# Allegro board 8880F5-0824_updates.brd (continued)
## Routing (per net, layer and track width the routed paths; a pad name or vN(x,y) marks a point on that pad's centre or on a via; arc(x,y) is an arc through that point) (continued)
D30116: length 192.4
  TOP w0.147: SITE4.36 336.23,171.33 336.23,171.32 336.23,171.12 340.99,166.36 arc(341.15,166.12) 341.2,165.84 341.2,163.51 arc(341.23,163.38) 341.3,163.27 346.25,158.33 arc(346.36,158.25) 346.49,158.23 360.65,158.23 arc(360.93,158.17) 361.17,158.01 361.94,157.24 arc(362.1,157) 362.15,156.72 362.15,153.4 arc(362.1,153.11) 361.94,152.87 361.43,152.36 arc(361.19,152.2) 360.91,152.15 357.95,152.15 arc(357.82,152.12) 357.71,152.05 349.01,143.34 arc(348.77,143.18) 348.48,143.12 342.4,143.12 arc(342.27,143.1) 342.16,143.02 341.3,142.16 arc(341.23,142.05) 341.2,141.92 341.2,128.25 arc(341.27,127.89) 341.47,127.59 341.47,127.59 arc(341.77,127.39) 342.13,127.32 348.02,127.32 arc(348.49,127.23) 348.89,126.96 arc(349.15,126.56) 349.25,126.09 349.25,94.24 arc(349.19,93.95) 349.03,93.71 348.74,93.43 arc(348.17,93.05) 347.5,92.91 arc(346.83,93.05) 346.27,93.43 345.92,93.77 arc(345.76,94.01) 345.71,94.29 345.71,123.35 arc(345.65,123.63) 345.49,123.87 345.49,123.87 arc(345.03,124.18) 344.49,124.29 344.32,124.29 arc(343.77,124.18) 343.31,123.87 343.31,123.87 arc(343.14,123.62) 343.08,123.33 343.08,91.56 arc(343.14,91.28) 343.3,91.04 D301.16
D30502: length 192.4
  TOP w0.147: D305.02 385.64,91 arc(385.8,91.24) 385.85,91.52 385.85,93.61 arc(385.91,93.89) 386.07,94.13 387.38,95.44 arc(387.62,95.6) 387.9,95.66 394.19,95.66 arc(394.41,95.7) 394.59,95.82 395.29,96.52 arc(395.79,97.27) 395.96,98.15 395.96,98.15 arc(395.74,99.27) 395.1,100.22 394.75,100.58 arc(394.36,100.84) 393.91,100.93 387.5,100.93 arc(387.22,100.98) 386.98,101.14 386.16,101.96 arc(386,102.2) 385.95,102.48 385.95,118.01 arc(385.92,118.14) 385.85,118.25 370.44,133.66 arc(370.28,133.9) 370.22,134.19 370.22,149.87 arc(370.2,150) 370.12,150.11 363.58,156.66 arc(363.42,156.9) 363.36,157.18 363.36,203.61 arc(363.34,203.74) 363.26,203.86 355.51,211.61 arc(355.46,211.64) 355.4,211.66 340.76,211.66 arc(340.09,211.79) 339.52,212.17 332.45,219.24 arc(332.29,219.48) 332.23,219.76 332.23,231.32 332.23,231.33 SITE2.26
D30504: length 192.4
  TOP w0.147: D305.04 386.47,91.05 arc(386.31,91.29) 386.25,91.57 386.25,93.61 arc(386.28,93.74) 386.35,93.85 387.66,95.16 arc(387.77,95.24) 387.9,95.26 394.19,95.26 arc(394.56,95.34) 394.87,95.54 395.57,96.24 arc(396.15,97.12) 396.36,98.15 396.36,98.15 arc(396.11,99.43) 395.38,100.51 395.03,100.86 arc(394.52,101.2) 393.91,101.32 387.5,101.32 arc(387.37,101.35) 387.26,101.42 386.44,102.24 arc(386.37,102.35) 386.34,102.48 386.34,118.01 arc(386.29,118.29) 386.13,118.53 370.72,133.94 arc(370.64,134.05) 370.62,134.19 370.62,149.87 arc(370.56,150.16) 370.4,150.39 363.86,156.94 arc(363.78,157.05) 363.76,157.18 363.76,203.61 arc(363.7,203.9) 363.54,204.14 355.79,211.89 arc(355.61,212.01) 355.4,212.05 340.76,212.05 arc(340.24,212.16) 339.8,212.45 332.73,219.52 arc(332.65,219.63) 332.63,219.76 332.63,231.32 332.63,231.33 SITE2.27
D30506: length 192.4
  TOP w0.147: SITE2.29 333.43,231.33 333.43,231.32 333.43,221.42 arc(333.49,221.14) 333.65,220.9 340.55,213.99 arc(340.79,213.83) 341.07,213.78 355.94,213.78 arc(356.07,213.75) 356.18,213.68 365.46,204.4 arc(365.54,204.29) 365.56,204.16 365.56,158.21 arc(365.62,157.93) 365.78,157.69 372.97,150.5 arc(373.04,150.39) 373.07,150.26 373.07,134.17 arc(373.12,133.89) 373.28,133.65 395.84,111.09 arc(395.92,110.98) 395.94,110.85 395.94,103.3 arc(396,103.02) 396.16,102.78 398.21,100.73 arc(398.45,100.57) 398.73,100.52 402.65,100.52 arc(403.24,100.4) 403.74,100.07 arc(404.31,99.21) 404.51,98.2 404.51,97.73 arc(404.38,97.08) 404.01,96.52 403.43,95.95 arc(403.23,95.81) 403,95.77 398.42,95.77 arc(398.14,95.71) 397.9,95.55 396.23,93.88 arc(396.07,93.64) 396.01,93.35 396.01,91.52 arc(395.96,91.24) 395.8,91 D305.06
D30508: length 192.4
  TOP w0.147: D305.08 396.63,91.05 arc(396.47,91.29) 396.41,91.58 396.41,93.35 arc(396.44,93.48) 396.51,93.6 398.18,95.27 arc(398.29,95.34) 398.42,95.37 403,95.37 arc(403.39,95.45) 403.71,95.67 404.29,96.24 arc(404.75,96.93) 404.91,97.73 404.91,98.2 arc(404.68,99.36) 404.02,100.35 404.02,100.35 arc(403.39,100.76) 402.65,100.91 398.73,100.91 arc(398.6,100.94) 398.49,101.01 396.44,103.06 arc(396.37,103.17) 396.34,103.3 396.34,110.85 arc(396.28,111.13) 396.12,111.37 373.56,133.93 arc(373.49,134.04) 373.46,134.17 373.46,150.26 arc(373.41,150.54) 373.25,150.78 366.06,157.97 arc(365.98,158.08) 365.96,158.21 365.96,204.16 arc(365.9,204.44) 365.74,204.68 356.46,213.96 arc(356.22,214.12) 355.94,214.17 341.07,214.17 arc(340.94,214.2) 340.83,214.27 333.93,221.18 arc(333.85,221.29) 333.83,221.42 333.83,231.32 333.83,231.33 SITE2.30
D30510: length 192.4
  TOP w0.147: D305.10 405.97,91.01 arc(406.13,91.25) 406.19,91.53 406.19,94.3 arc(406.25,94.61) 406.42,94.87 407.29,95.74 arc(407.55,95.91) 407.86,95.97 410.79,95.97 arc(411.11,96.04) 411.38,96.22 arc(411.86,96.94) 412.03,97.79 412.03,97.79 arc(411.82,98.82) 411.24,99.69 arc(410.82,99.97) 410.32,100.07 407.7,100.07 arc(407.42,100.12) 407.18,100.28 406.33,101.13 arc(406.17,101.37) 406.12,101.65 406.12,103.38 arc(406.09,103.51) 406.02,103.62 376.2,133.44 arc(376.04,133.68) 375.98,133.97 375.98,151.27 arc(375.95,151.4) 375.88,151.51 368.14,159.26 arc(367.98,159.49) 367.92,159.78 367.92,205.65 arc(367.9,205.78) 367.82,205.89 358.11,215.6 arc(358,215.68) 357.87,215.7 342.53,215.7 arc(342.25,215.76) 342.01,215.92 338.61,219.32 arc(338.45,219.56) 338.4,219.84 338.4,225.54 arc(338.37,225.67) 338.3,225.79 334.85,229.24 arc(334.69,229.47) 334.63,229.76 334.63,231.32 334.63,231.33 SITE2.32
D30512: length 192.4
  TOP w0.147: SITE2.33 335.03,231.33 335.03,231.32 335.03,229.76 arc(335.05,229.63) 335.13,229.52 338.58,226.07 arc(338.74,225.83) 338.79,225.54 338.79,219.84 arc(338.82,219.71) 338.89,219.6 342.29,216.2 arc(342.4,216.12) 342.53,216.1 357.87,216.1 arc(358.15,216.04) 358.39,215.88 368.1,206.17 arc(368.26,205.93) 368.32,205.65 368.32,159.78 arc(368.35,159.65) 368.42,159.54 376.16,151.79 arc(376.32,151.56) 376.38,151.27 376.38,133.97 arc(376.4,133.84) 376.48,133.72 406.3,103.9 arc(406.46,103.67) 406.51,103.38 406.51,101.65 arc(406.54,101.52) 406.61,101.41 407.46,100.56 arc(407.57,100.49) 407.7,100.46 410.32,100.46 arc(410.97,100.34) 411.52,99.97 411.52,99.97 arc(412.19,98.97) 412.42,97.79 412.42,97.79 arc(412.22,96.79) 411.66,95.94 arc(411.26,95.67) 410.79,95.58 407.86,95.58 arc(407.7,95.55) 407.57,95.46 406.71,94.59 arc(406.61,94.46) 406.58,94.3 406.58,91.56 arc(406.64,91.28) 406.8,91.04 D305.12
D30514: length 192.4
  TOP w0.147: SITE2.35 335.83,231.33 335.83,231.32 335.83,230.95 340.67,226.11 arc(340.75,226) 340.77,225.87 340.77,220.87 arc(340.83,220.59) 340.99,220.35 343.49,217.85 arc(343.73,217.69) 344.01,217.63 359.3,217.63 arc(359.44,217.61) 359.55,217.53 370.26,206.82 arc(370.33,206.71) 370.36,206.58 370.36,161.11 arc(370.41,160.82) 370.57,160.58 378.75,152.41 arc(378.82,152.3) 378.85,152.17 378.85,133.76 arc(378.9,133.48) 379.06,133.24 385.97,126.33 arc(386.21,126.17) 386.49,126.11 393.9,126.11 arc(394.7,125.95) 395.38,125.5 415.74,105.14 arc(416.2,104.46) 416.36,103.65 416.36,91.54 arc(416.3,91.26) 416.14,91.02 D305.14
D30516: length 192.4
  TOP w0.147: D305.16 416.97,91.03 arc(416.81,91.27) 416.76,91.55 416.76,103.65 arc(416.57,104.61) 416.03,105.42 395.66,125.78 arc(394.86,126.32) 393.9,126.51 386.49,126.51 arc(386.36,126.54) 386.25,126.61 379.34,133.52 arc(379.27,133.63) 379.24,133.76 379.24,152.17 arc(379.19,152.45) 379.03,152.69 370.85,160.86 arc(370.78,160.98) 370.75,161.11 370.75,206.58 arc(370.7,206.86) 370.54,207.1 359.83,217.81 arc(359.59,217.97) 359.3,218.03 344.01,218.03 arc(343.88,218.05) 343.77,218.13 341.27,220.63 arc(341.2,220.74) 341.17,220.87 341.17,225.87 arc(341.11,226.15) 340.95,226.39 336.23,231.12 336.23,231.32 336.23,231.33 SITE2.36
D31702: length 192.4
  TOP w0.147: SITE3.26 252.23,171.33 252.23,171.32 252.23,154.59 arc(252.21,154.46) 252.13,154.35 250.01,152.23 arc(249.88,152.14) 249.72,152.11 233.3,152.11 arc(233.05,152.06) 232.83,151.91 228.47,147.55 arc(228.31,147.31) 228.26,147.03 228.26,141.47 arc(228.23,141.34) 228.16,141.23 224.1,137.17 arc(223.99,137.1) 223.86,137.07 202.36,137.07 arc(202.08,137.01) 201.84,136.86 192.32,127.33 arc(192.21,127.26) 192.08,127.23 157.34,127.23 arc(157.06,127.18) 156.82,127.02 155.37,125.56 arc(155.21,125.32) 155.15,125.04 155.15,109.59 arc(155.21,109.31) 155.37,109.07 157.29,107.15 arc(157.52,107) 157.81,106.94 163.56,106.94 arc(163.69,106.91) 163.8,106.84 164.81,105.83 arc(164.89,105.72) 164.91,105.59 164.91,104.5 arc(164.89,104.37) 164.81,104.26 163.74,103.19 arc(163.63,103.11) 163.5,103.09 157.16,103.09 arc(156.58,102.97) 156.08,102.64 156.03,102.59 arc(155.13,101.25) 154.82,99.67 arc(155.07,98.39) 155.8,97.31 156.47,96.63 arc(156.71,96.47) 157,96.42 163.78,96.42 arc(163.91,96.39) 164.03,96.32 164.81,95.53 arc(164.89,95.42) 164.91,95.29 164.91,91.56 arc(164.86,91.27) 164.7,91.04 D317.02
D31704: length 192.4
  TOP w0.147: D317.04 165.52,91.02 arc(165.36,91.26) 165.31,91.54 165.31,95.29 arc(165.25,95.57) 165.09,95.81 164.31,96.6 arc(164.07,96.76) 163.78,96.81 157,96.81 arc(156.86,96.84) 156.75,96.91 156.08,97.59 arc(155.44,98.54) 155.22,99.67 arc(155.5,101.1) 156.31,102.31 156.36,102.36 arc(156.73,102.61) 157.16,102.69 163.5,102.69 arc(163.78,102.75) 164.02,102.91 165.09,103.98 arc(165.25,104.22) 165.31,104.5 165.31,105.59 arc(165.25,105.87) 165.09,106.11 164.08,107.12 arc(163.84,107.28) 163.56,107.34 157.81,107.34 arc(157.68,107.36) 157.57,107.44 155.65,109.35 arc(155.58,109.46) 155.55,109.59 155.55,125.04 arc(155.58,125.17) 155.65,125.28 157.1,126.73 arc(157.21,126.81) 157.34,126.83 192.08,126.83 arc(192.36,126.89) 192.6,127.05 202.12,136.58 arc(202.23,136.65) 202.36,136.67 223.86,136.67 arc(224.14,136.73) 224.38,136.89 228.44,140.95 arc(228.6,141.18) 228.65,141.47 228.65,147.03 arc(228.68,147.16) 228.75,147.27 233.11,151.63 arc(233.2,151.69) 233.3,151.71 249.72,151.71 arc(250.03,151.77) 250.29,151.95 252.41,154.07 arc(252.57,154.31) 252.63,154.59 252.63,171.32 252.63,171.33 SITE3.27
D31706: length 192.4
  TOP w0.147: D317.06 174.85,91.03 arc(175.01,91.27) 175.07,91.55 175.07,95.63 arc(175.04,95.76) 174.97,95.87 173.95,96.89 arc(173.83,96.97) 173.7,96.99 170.6,96.99 arc(170.32,97.05) 170.08,97.21 169.41,97.88 arc(168.5,100.07) 169.41,102.26 169.55,102.4 arc(170.14,102.8) 170.84,102.94 173.37,102.94 arc(173.5,102.96) 173.61,103.04 174.97,104.39 arc(175.04,104.5) 175.07,104.63 175.07,106.6 arc(175.04,106.73) 174.97,106.84 172.67,109.14 arc(172.56,109.22) 172.43,109.24 159.81,109.24 arc(159.52,109.3) 159.28,109.46 157.66,111.08 arc(157.5,111.32) 157.45,111.6 157.45,123.02 arc(157.5,123.3) 157.66,123.54 159.05,124.93 arc(159.29,125.08) 159.57,125.14 192.85,125.14 arc(192.98,125.17) 193.09,125.24 202.36,134.51 arc(202.6,134.67) 202.88,134.72 225.05,134.72 arc(225.18,134.75) 225.29,134.82 230.57,140.1 arc(230.64,140.21) 230.67,140.34 230.67,145.95 arc(230.72,146.23) 230.88,146.47 233.88,149.47 arc(234.12,149.63) 234.4,149.68 250.49,149.68 arc(250.62,149.71) 250.73,149.78 254.62,153.67 arc(254.69,153.78) 254.72,153.91 254.72,165.73 arc(254.69,165.86) 254.62,165.97 253.65,166.94 arc(253.49,167.18) 253.43,167.46 253.43,171.32 253.43,171.33 SITE3.29
D31708: length 192.4
  TOP w0.147: D317.08 175.68,91.02 arc(175.52,91.26) 175.46,91.54 175.46,95.63 arc(175.41,95.91) 175.25,96.15 174.23,97.17 arc(173.99,97.33) 173.7,97.39 170.6,97.39 arc(170.47,97.41) 170.36,97.49 169.69,98.16 arc(168.9,100.07) 169.69,101.98 169.83,102.12 arc(170.29,102.43) 170.84,102.54 173.37,102.54 arc(173.66,102.6) 173.89,102.76 175.25,104.11 arc(175.41,104.35) 175.46,104.63 175.46,106.6 arc(175.41,106.88) 175.25,107.12 172.95,109.42 arc(172.71,109.58) 172.43,109.64 159.81,109.64 arc(159.67,109.67) 159.56,109.74 157.94,111.36 arc(157.87,111.47) 157.84,111.6 157.84,123.02 arc(157.87,123.15) 157.94,123.26 159.33,124.64 arc(159.44,124.72) 159.57,124.74 192.85,124.74 arc(193.13,124.8) 193.37,124.96 202.64,134.23 arc(202.75,134.3) 202.88,134.33 225.05,134.33 arc(225.33,134.38) 225.57,134.54 230.85,139.82 arc(231.01,140.05) 231.06,140.34 231.06,145.95 arc(231.09,146.08) 231.16,146.19 234.16,149.19 arc(234.27,149.26) 234.4,149.29 250.49,149.29 arc(250.77,149.34) 251.01,149.5 254.9,153.39 arc(255.06,153.63) 255.11,153.91 255.11,165.73 arc(255.06,166.01) 254.9,166.25 253.93,167.22 arc(253.85,167.33) 253.83,167.46 253.83,171.32 253.83,171.33 SITE3.30
D31710: length 192.4
  TOP w0.147: D317.10 184.98,91 arc(185.14,91.24) 185.2,91.52 185.2,106.54 arc(185.17,106.67) 185.1,106.78 180.38,111.49 arc(180.27,111.57) 180.14,111.59 161,111.59 arc(160.71,111.65) 160.47,111.81 159.94,112.35 arc(159.78,112.59) 159.72,112.87 159.72,121.35 arc(159.78,121.63) 159.94,121.87 160.53,122.46 arc(160.77,122.62) 161.05,122.68 193.81,122.68 arc(193.94,122.71) 194.05,122.78 203.26,131.99 arc(203.5,132.15) 203.78,132.21 226.63,132.21 arc(227.74,132.43) 228.68,133.05 232.15,136.52 arc(232.78,137.46) 233,138.57 233,138.57 233,144.66 arc(233.06,144.94) 233.21,145.18 235.06,147.02 arc(235.3,147.18) 235.58,147.24 251.91,147.24 arc(252.04,147.26) 252.15,147.34 258.03,153.22 arc(258.11,153.33) 258.13,153.46 258.13,166.26 arc(258.11,166.39) 258.03,166.5 254.85,169.69 arc(254.69,169.93) 254.63,170.21 254.63,171.32 254.63,171.33 SITE3.32
D31712: length 192.4
  TOP w0.147: SITE3.33 255.03,171.33 255.03,171.32 255.03,170.21 arc(255.05,170.08) 255.13,169.97 258.31,166.79 arc(258.47,166.55) 258.53,166.26 258.53,153.46 arc(258.47,153.18) 258.31,152.94 252.43,147.06 arc(252.19,146.9) 251.91,146.84 235.58,146.84 arc(235.45,146.82) 235.34,146.74 233.5,144.9 arc(233.42,144.79) 233.4,144.66 233.4,138.57 arc(233.15,137.31) 232.43,136.24 228.96,132.77 arc(227.89,132.06) 226.63,131.81 203.78,131.81 arc(203.65,131.78) 203.54,131.71 194.33,122.5 arc(194.09,122.34) 193.81,122.28 161.05,122.28 arc(160.92,122.26) 160.81,122.18 160.22,121.59 arc(160.14,121.48) 160.12,121.35 160.12,112.87 arc(160.14,112.74) 160.22,112.63 160.75,112.09 arc(160.87,112.01) 161,111.99 180.14,111.99 arc(180.42,111.93) 180.66,111.77 185.38,107.06 arc(185.54,106.82) 185.6,106.54 185.6,91.57 arc(185.65,91.29) 185.81,91.05 D317.12
D31714: length 192.4
  TOP w0.147: SITE3.35 255.83,171.33 255.83,171.32 255.83,171.08 arc(255.87,170.87) 255.99,170.69 260.49,166.19 arc(260.56,166.08) 260.59,165.95 260.59,152.8 arc(260.56,152.67) 260.49,152.56 253.28,145.36 arc(253.17,145.29) 253.04,145.26 237.53,145.26 arc(237.25,145.2) 237.01,145.04 235.72,143.75 arc(235.56,143.51) 235.5,143.23 235.5,137.11 arc(235.28,136.02) 234.67,135.09 230.66,131.09 arc(229.73,130.47) 228.64,130.25 205.88,130.25 arc(205.6,130.2) 205.36,130.04 195.76,120.44 arc(195.65,120.36) 195.52,120.34 164.55,120.34 arc(164.27,120.28) 164.03,120.12 163.21,119.31 arc(163.05,119.07) 163,118.79 163,115.24 arc(163.05,114.96) 163.21,114.72 163.79,114.14 arc(164.03,113.98) 164.32,113.93 180.98,113.93 arc(181.11,113.9) 181.22,113.83 195.26,99.79 arc(195.33,99.68) 195.36,99.55 195.36,91.52 arc(195.3,91.24) 195.14,91 D317.14
D31716: length 192.4
  TOP w0.147: SITE3.36 256.23,171.33 256.23,171.32 256.23,171.08 arc(256.24,171.02) 256.27,170.97 260.77,166.48 arc(260.93,166.24) 260.98,165.95 260.98,152.8 arc(260.93,152.52) 260.77,152.28 253.57,145.08 arc(253.33,144.92) 253.04,144.86 237.53,144.86 arc(237.4,144.84) 237.29,144.76 236,143.47 arc(235.92,143.36) 235.9,143.23 235.9,137.11 arc(235.65,135.87) 234.95,134.81 230.94,130.81 arc(229.88,130.1) 228.64,129.85 205.88,129.85 arc(205.75,129.83) 205.64,129.76 196.04,120.16 arc(195.8,120) 195.52,119.94 164.55,119.94 arc(164.42,119.92) 164.31,119.84 163.49,119.03 arc(163.42,118.92) 163.39,118.79 163.39,115.24 arc(163.42,115.11) 163.49,115 164.07,114.42 arc(164.18,114.35) 164.32,114.32 180.98,114.32 arc(181.26,114.27) 181.5,114.11 195.54,100.07 arc(195.7,99.83) 195.75,99.55 195.75,91.57 arc(195.81,91.29) 195.97,91.05 D317.16
D32102: length 192.4
  TOP w0.147: D321.02 238.38,91.06 arc(238.54,91.3) 238.59,91.58 238.59,98.62 arc(238.65,98.9) 238.81,99.14 286.48,146.81 arc(286.55,146.92) 286.58,147.05 286.58,206.14 arc(286.47,206.69) 286.16,207.15 282.19,211.12 arc(281.72,211.43) 281.18,211.54 259.33,211.54 arc(259.04,211.6) 258.81,211.76 252.45,218.11 arc(252.29,218.35) 252.23,218.64 252.23,231.32 252.23,231.33 SITE1.26
D32104: length 192.4
  TOP w0.147: D321.04 239.2,91 arc(239.04,91.23) 238.99,91.52 238.99,98.62 arc(239.01,98.75) 239.09,98.86 286.76,146.53 arc(286.92,146.77) 286.98,147.05 286.98,206.14 arc(286.84,206.84) 286.44,207.43 282.47,211.4 arc(281.88,211.8) 281.18,211.94 259.33,211.94 arc(259.2,211.96) 259.09,212.04 252.73,218.39 arc(252.65,218.51) 252.63,218.64 252.63,231.32 252.63,231.33 SITE1.27
D32106: length 192.4
  TOP w0.147: D321.06 248.52,91.04 arc(248.68,91.28) 248.74,91.56 248.74,94.12 arc(248.79,94.4) 248.95,94.64 251.97,97.66 arc(252.4,98.31) 252.55,99.08 252.55,99.2 arc(252.4,99.97) 251.97,100.62 248.9,103.68 arc(248.74,103.92) 248.69,104.2 248.69,105.39 arc(248.74,105.67) 248.9,105.91 288.87,145.87 arc(288.94,145.98) 288.97,146.11 288.97,207.52 arc(288.94,207.65) 288.87,207.76 283.19,213.44 arc(283.08,213.51) 282.95,213.54 261.24,213.54 arc(260.95,213.59) 260.72,213.75 253.65,220.82 arc(253.49,221.06) 253.43,221.34 253.43,231.32 253.43,231.33 SITE1.29
D32108: length 192.4
  TOP w0.147: SITE1.30 253.83,231.33 253.83,231.32 253.83,221.34 arc(253.85,221.21) 253.93,221.1 261,214.03 arc(261.11,213.96) 261.24,213.93 282.95,213.93 arc(283.23,213.88) 283.47,213.72 289.15,208.04 arc(289.31,207.8) 289.36,207.52 289.36,146.11 arc(289.31,145.83) 289.15,145.59 249.18,105.63 arc(249.11,105.52) 249.08,105.39 249.08,104.2 arc(249.11,104.07) 249.18,103.96 252.25,100.9 arc(252.77,100.12) 252.95,99.2 252.95,99.08 arc(252.77,98.16) 252.25,97.38 249.23,94.36 arc(249.16,94.25) 249.13,94.12 249.13,91.53 arc(249.19,91.25) 249.35,91.01 D321.08
D32110: length 192.4
  TOP w0.147: SITE1.32 254.63,231.33 254.63,231.32 254.63,229.68 arc(254.69,229.4) 254.85,229.16 258.13,225.88 arc(258.2,225.77) 258.23,225.64 258.23,220.21 arc(258.29,219.93) 258.45,219.69 262.34,215.8 arc(262.58,215.64) 262.86,215.58 285.09,215.58 arc(285.22,215.55) 285.33,215.48 291.24,209.57 arc(291.31,209.46) 291.34,209.33 291.34,144.47 arc(291.31,144.34) 291.24,144.23 259.08,112.07 arc(258.92,111.83) 258.86,111.55 258.86,103.77 arc(258.92,103.49) 259.08,103.25 260.09,102.24 arc(260.33,102.08) 260.61,102.02 261.58,102.02 arc(262.25,101.89) 262.82,101.51 arc(263.2,100.94) 263.34,100.27 263.34,98.31 arc(263.23,97.75) 262.91,97.28 262.84,97.21 arc(262.36,96.89) 261.8,96.78 261.07,96.78 arc(260.79,96.72) 260.55,96.56 259.08,95.09 arc(258.92,94.85) 258.86,94.57 258.86,91.53 arc(258.81,91.25) 258.65,91.01 D321.10
D32112: length 192.4
  TOP w0.147: SITE1.33 255.03,231.33 255.03,231.32 255.03,229.68 arc(255.05,229.55) 255.13,229.44 258.41,226.16 arc(258.57,225.92) 258.63,225.64 258.63,220.21 arc(258.65,220.08) 258.73,219.97 262.62,216.08 arc(262.73,216) 262.86,215.98 285.09,215.98 arc(285.37,215.92) 285.61,215.76 291.52,209.85 arc(291.68,209.61) 291.74,209.33 291.74,144.47 arc(291.68,144.19) 291.52,143.95 259.36,111.79 arc(259.29,111.68) 259.26,111.55 259.26,103.77 arc(259.29,103.64) 259.36,103.53 260.37,102.52 arc(260.48,102.45) 260.61,102.42 261.58,102.42 arc(262.41,102.26) 263.1,101.79 arc(263.57,101.09) 263.73,100.27 263.73,98.31 arc(263.59,97.6) 263.19,97 263.12,96.93 arc(262.51,96.52) 261.8,96.38 261.07,96.38 arc(260.94,96.35) 260.83,96.28 259.36,94.81 arc(259.29,94.7) 259.26,94.57 259.26,91.56 arc(259.32,91.28) 259.48,91.04 D321.12
D32114: length 192.4
  TOP w0.147: SITE1.35 255.83,231.33 255.83,231.32 255.83,231.2 arc(255.88,230.97) 256.01,230.77 260.62,226.16 arc(260.7,226.05) 260.72,225.92 260.72,221.41 arc(260.78,221.13) 260.94,220.89 264.07,217.75 arc(264.31,217.59) 264.6,217.54 286.83,217.54 arc(286.96,217.51) 287.07,217.44 293.83,210.68 arc(293.9,210.57) 293.93,210.44 293.93,144.28 arc(293.9,144.15) 293.83,144.04 269.26,119.47 arc(269.1,119.23) 269.04,118.95 269.04,104.17 arc(269.1,103.89) 269.26,103.65 270.56,102.34 arc(270.8,102.18) 271.08,102.13 273.29,102.13 arc(273.42,102.1) 273.53,102.03 274.2,101.36 arc(274.81,100.45) 275.02,99.37 275.02,98.96 arc(274.81,97.88) 274.2,96.97 273.69,96.47 arc(273.58,96.39) 273.45,96.37 270.69,96.37 arc(270.41,96.31) 270.17,96.15 269.26,95.23 arc(269.1,95) 269.04,94.71 269.04,91.55 arc(268.98,91.26) 268.82,91.02 D321.14
D32116: length 192.4
  TOP w0.147: SITE1.36 256.23,231.33 256.23,231.32 256.23,231.2 arc(256.24,231.12) 256.29,231.06 260.9,226.44 arc(261.06,226.2) 261.12,225.92 261.12,221.41 arc(261.14,221.28) 261.22,221.17 264.35,218.03 arc(264.47,217.96) 264.6,217.93 286.83,217.93 arc(287.11,217.88) 287.35,217.72 294.11,210.96 arc(294.27,210.72) 294.32,210.44 294.32,144.28 arc(294.27,144) 294.11,143.76 269.54,119.19 arc(269.46,119.08) 269.44,118.95 269.44,104.17 arc(269.46,104.04) 269.54,103.93 270.84,102.62 arc(270.95,102.55) 271.08,102.52 273.29,102.52 arc(273.57,102.47) 273.81,102.31 274.48,101.64 arc(275.18,100.6) 275.42,99.37 275.42,98.96 arc(275.18,97.73) 274.48,96.69 273.97,96.18 arc(273.73,96.02) 273.45,95.97 270.69,95.97 arc(270.56,95.94) 270.45,95.87 269.54,94.95 arc(269.46,94.84) 269.44,94.71 269.44,91.55 arc(269.49,91.27) 269.65,91.03 D321.16
Net_7: length 1.5
  TOP w0.231: v1(229.4,185.39) 229.91,185.39 ; v1(309.4,245.39) 309.91,245.39 ; v1(309.4,185.39) 309.91,185.39
  vias: v1(223.55,259.7) v1(223.55,257.77) v1(223.55,255.84) v1(223.55,253.92) v1(223.55,251.61) v1(223.55,249.68) v1(223.55,199.7) v1(223.55,197.77) v1(223.55,195.84) v1(223.55,193.92) v1(223.55,191.61) v1(223.55,189.68) v1(224.6,241.56) v1(224.6,239.63) v1(224.64,237.71) v1(224.64,235.78) v1(224.6,181.56) v1(224.6,179.63) v1(224.64,177.71) v1(224.64,175.78) v1(224.7,234) v1(224.7,232.07) v1(224.7,174) v1(224.7,172.07) v1(226.85,257.77) v1(226.85,255.84) v1(226.85,253.53) v1(226.85,251.61) v1(226.85,197.77) v1(226.85,195.84) v1(226.85,193.54) v1(226.85,191.61) v1(227.63,239.65) v1(227.63,237.72) v1(227.65,235.93) v1(227.65,234) v1(227.63,179.65) v1(227.63,177.72) v1(227.65,175.93) v1(227.65,174) v1(227.75,231.32) v1(227.75,229.39) v1(227.75,171.32) v1(227.75,169.39) v1(230.19,241.84) v1(230.19,239.59) v1(230.19,181.84) v1(230.19,179.59) v1(233.79,218.54) v1(233.79,158.54) v1(235.15,217.18) v1(235.15,157.18) v1(235.89,269.91) v1(235.89,209.91) v1(236.8,215.47) v1(236.8,155.47) v1(237.59,219.55) v1(237.59,159.55) v1(237.77,271.64) v1(237.77,211.64) v1(237.82,269.91) v1(237.82,209.91) v1(238.17,214.11) v1(238.17,154.11) v1(238.96,218.18) v1(238.96,158.18) v1(239.69,271.64) v1(239.75,269.91) v1(239.69,211.64) v1(239.75,209.91) v1(241.62,271.64) v1(241.68,269.91) v1(241.62,211.64) v1(241.68,209.91) v1(243.55,271.64) v1(243.55,211.64) v1(243.61,269.91) v1(243.61,209.91) v1(244.15,215.84) v1(244.15,155.84) v1(245.54,271.63) v1(245.54,269.91) v1(245.54,211.63) v1(245.54,209.91) v1(246.08,215.84) v1(246.08,155.84) v1(246.26,217.79) v1(246.26,157.79) v1(247.47,271.63) v1(247.4,269.91) v1(247.47,211.63) v1(247.4,209.91) v1(248.19,217.79) v1(248.19,157.79) v1(248.6,215.85) v1(248.6,155.85) v1(249.33,269.91) v1(249.33,209.91) v1(249.39,271.63) v1(249.39,211.63) v1(250.53,215.85) v1(250.53,155.85) v1(251.32,271.63) v1(251.32,269.91) v1(251.32,211.63) v1(251.32,209.91) v1(253.25,269.91) v1(253.25,209.91) v1(254.53,269.69) v1(254.53,209.69) v1(256.46,269.69) v1(256.46,267.97) v1(256.46,209.69) v1(256.46,207.97) v1(258.39,269.69) v1(258.39,267.97) v1(258.39,209.69) v1(258.39,207.97) v1(260.32,269.69) v1(260.32,267.97) v1(260.32,209.69) v1(260.32,207.97) v1(262.25,269.69) v1(262.25,267.97) v1(262.25,209.69) v1(262.25,207.97) v1(264.18,269.69) v1(264.18,267.97) v1(264.18,209.69) v1(264.18,207.97) v1(266.11,269.69) v1(266.11,267.97) v1(266.11,209.69) v1(266.11,207.97) v1(268.04,269.69) v1(268.04,209.69) v1(277,259.34) v1(277,257.41) v1(277,255.48) v1(277,253.56) v1(277,251.63) v1(277,249.7) v1(277,247.27) v1(277,245.34) v1(277,199.34) v1(277,197.41) v1(277,195.49) v1(277,193.56) v1(277,191.63) v1(277,189.7) v1(277,187.27) v1(277,185.34) v1(280.05,257.41) v1(280.05,255.48) v1(280.05,253.56) v1(280.05,251.63) v1(280.05,249.19) v1(280.05,247.27) v1(280.05,197.41) v1(280.05,195.49) v1(280.05,193.56) v1(280.05,191.63) v1(280.05,189.19) v1(280.05,187.27) v1(303.55,259.7) v1(303.55,257.77) v1(303.55,255.84) v1(303.55,253.92) v1(303.55,251.61) v1(303.55,249.68) v1(303.55,199.7) v1(303.55,197.77) v1(303.55,195.84) v1(303.55,193.92) v1(303.55,191.61) v1(303.55,189.68) v1(304.6,241.56) v1(304.6,239.63) v1(304.64,237.71) v1(304.64,235.78) v1(304.6,181.56) v1(304.6,179.63) v1(304.64,177.71) v1(304.64,175.78) v1(304.7,234) v1(304.7,232.07) v1(304.7,174) v1(304.7,172.07) v1(306.85,257.77) v1(306.85,255.84) v1(306.85,253.53) v1(306.85,251.61) v1(306.85,197.77) v1(306.85,195.84) v1(306.85,193.54) v1(306.85,191.61) v1(307.63,239.65) v1(307.63,237.72) v1(307.65,235.93) v1(307.65,234) v1(307.63,179.65) v1(307.63,177.72) v1(307.65,175.93) v1(307.65,174) v1(307.75,231.32) v1(307.75,229.39) v1(307.75,171.32) v1(307.75,169.39) v1(310.19,241.84) v1(310.19,239.59) v1(310.19,181.84) v1(310.19,179.59) v1(313.79,218.54) v1(313.79,158.54) v1(315.15,217.18) v1(315.15,157.18) v1(315.89,269.91) v1(315.89,209.91) v1(316.8,215.47) v1(316.8,155.47) v1(317.59,219.55) v1(317.59,159.55) v1(317.77,271.64) v1(317.77,211.64) v1(317.82,269.91) v1(317.82,209.91) v1(318.16,214.11) v1(318.16,154.11) v1(318.95,218.18) v1(318.95,158.18) v1(319.69,271.64) v1(319.75,269.91) v1(319.69,211.64) v1(319.75,209.91) v1(321.62,271.64) v1(321.68,269.91) v1(321.62,211.64) v1(321.68,209.91) v1(323.55,271.64) v1(323.55,211.64) v1(323.61,269.91) v1(323.61,209.91) v1(324.15,215.84) v1(324.15,155.84) v1(325.54,271.63) v1(325.54,269.91) v1(325.54,211.63) v1(325.54,209.91) v1(326.08,215.84) v1(326.08,155.84) v1(326.26,217.79) v1(326.26,157.79) v1(327.47,271.63) v1(327.4,269.91) v1(327.47,211.63) v1(327.4,209.91) v1(328.19,217.79) v1(328.19,157.79) v1(328.6,215.85) v1(328.6,155.85) v1(329.33,269.91) v1(329.33,209.91) v1(329.39,271.63) v1(329.39,211.63) v1(330.53,215.85) v1(330.53,155.85) v1(331.32,271.63) v1(331.32,269.91) v1(331.32,211.63) v1(331.32,209.91) v1(333.25,269.91) v1(333.25,209.91) v1(334.53,209.69) v1(334.58,269.75) v1(336.46,269.69) v1(336.46,267.97) v1(336.46,209.69) v1(336.46,207.97) v1(338.39,269.69) v1(338.39,267.97) v1(338.39,209.69) v1(338.39,207.97) v1(340.32,269.69) v1(340.32,267.97) v1(340.32,209.69) v1(340.32,207.97) v1(342.25,269.69) v1(342.25,267.97) v1(342.25,209.69) v1(342.25,207.97) v1(344.18,269.69) v1(344.18,267.97) v1(344.18,209.69) v1(344.18,207.97) v1(346.11,269.69) v1(346.11,267.97) v1(346.11,209.69) v1(346.11,207.97) v1(347.71,154.57) v1(348.04,269.69) v1(348.04,209.69) v1(351.52,154.57) v1(357,259.34) v1(357,257.41) v1(357,255.48) v1(357,253.56) v1(357,251.63) v1(357,249.7) v1(357,247.27) v1(357,245.34) v1(357,199.34) v1(357,197.41) v1(357,195.49) v1(357,193.56) v1(357,191.63) v1(357,189.7) v1(357,187.27) v1(357,185.34) v1(360.05,257.41) v1(360.05,255.48) v1(360.05,253.56) v1(360.05,251.63) v1(360.05,249.19) v1(360.05,247.27) v1(360.05,197.41) v1(360.05,195.49) v1(360.05,193.56) v1(360.05,191.63) v1(360.05,189.19) v1(360.05,187.27)
